# Altium PCB FINAL_PCB_VER0.PcbDoc (part 3 of 4)
Units mil, origin at the board's own origin, x right, y up, seen from the top; angles counter-clockwise.
Board outline 5316 x 3950 mil, 2 copper layers (Top Layer, Bottom Layer); 360 components, 279 nets, 1195 pads, 726 vias.
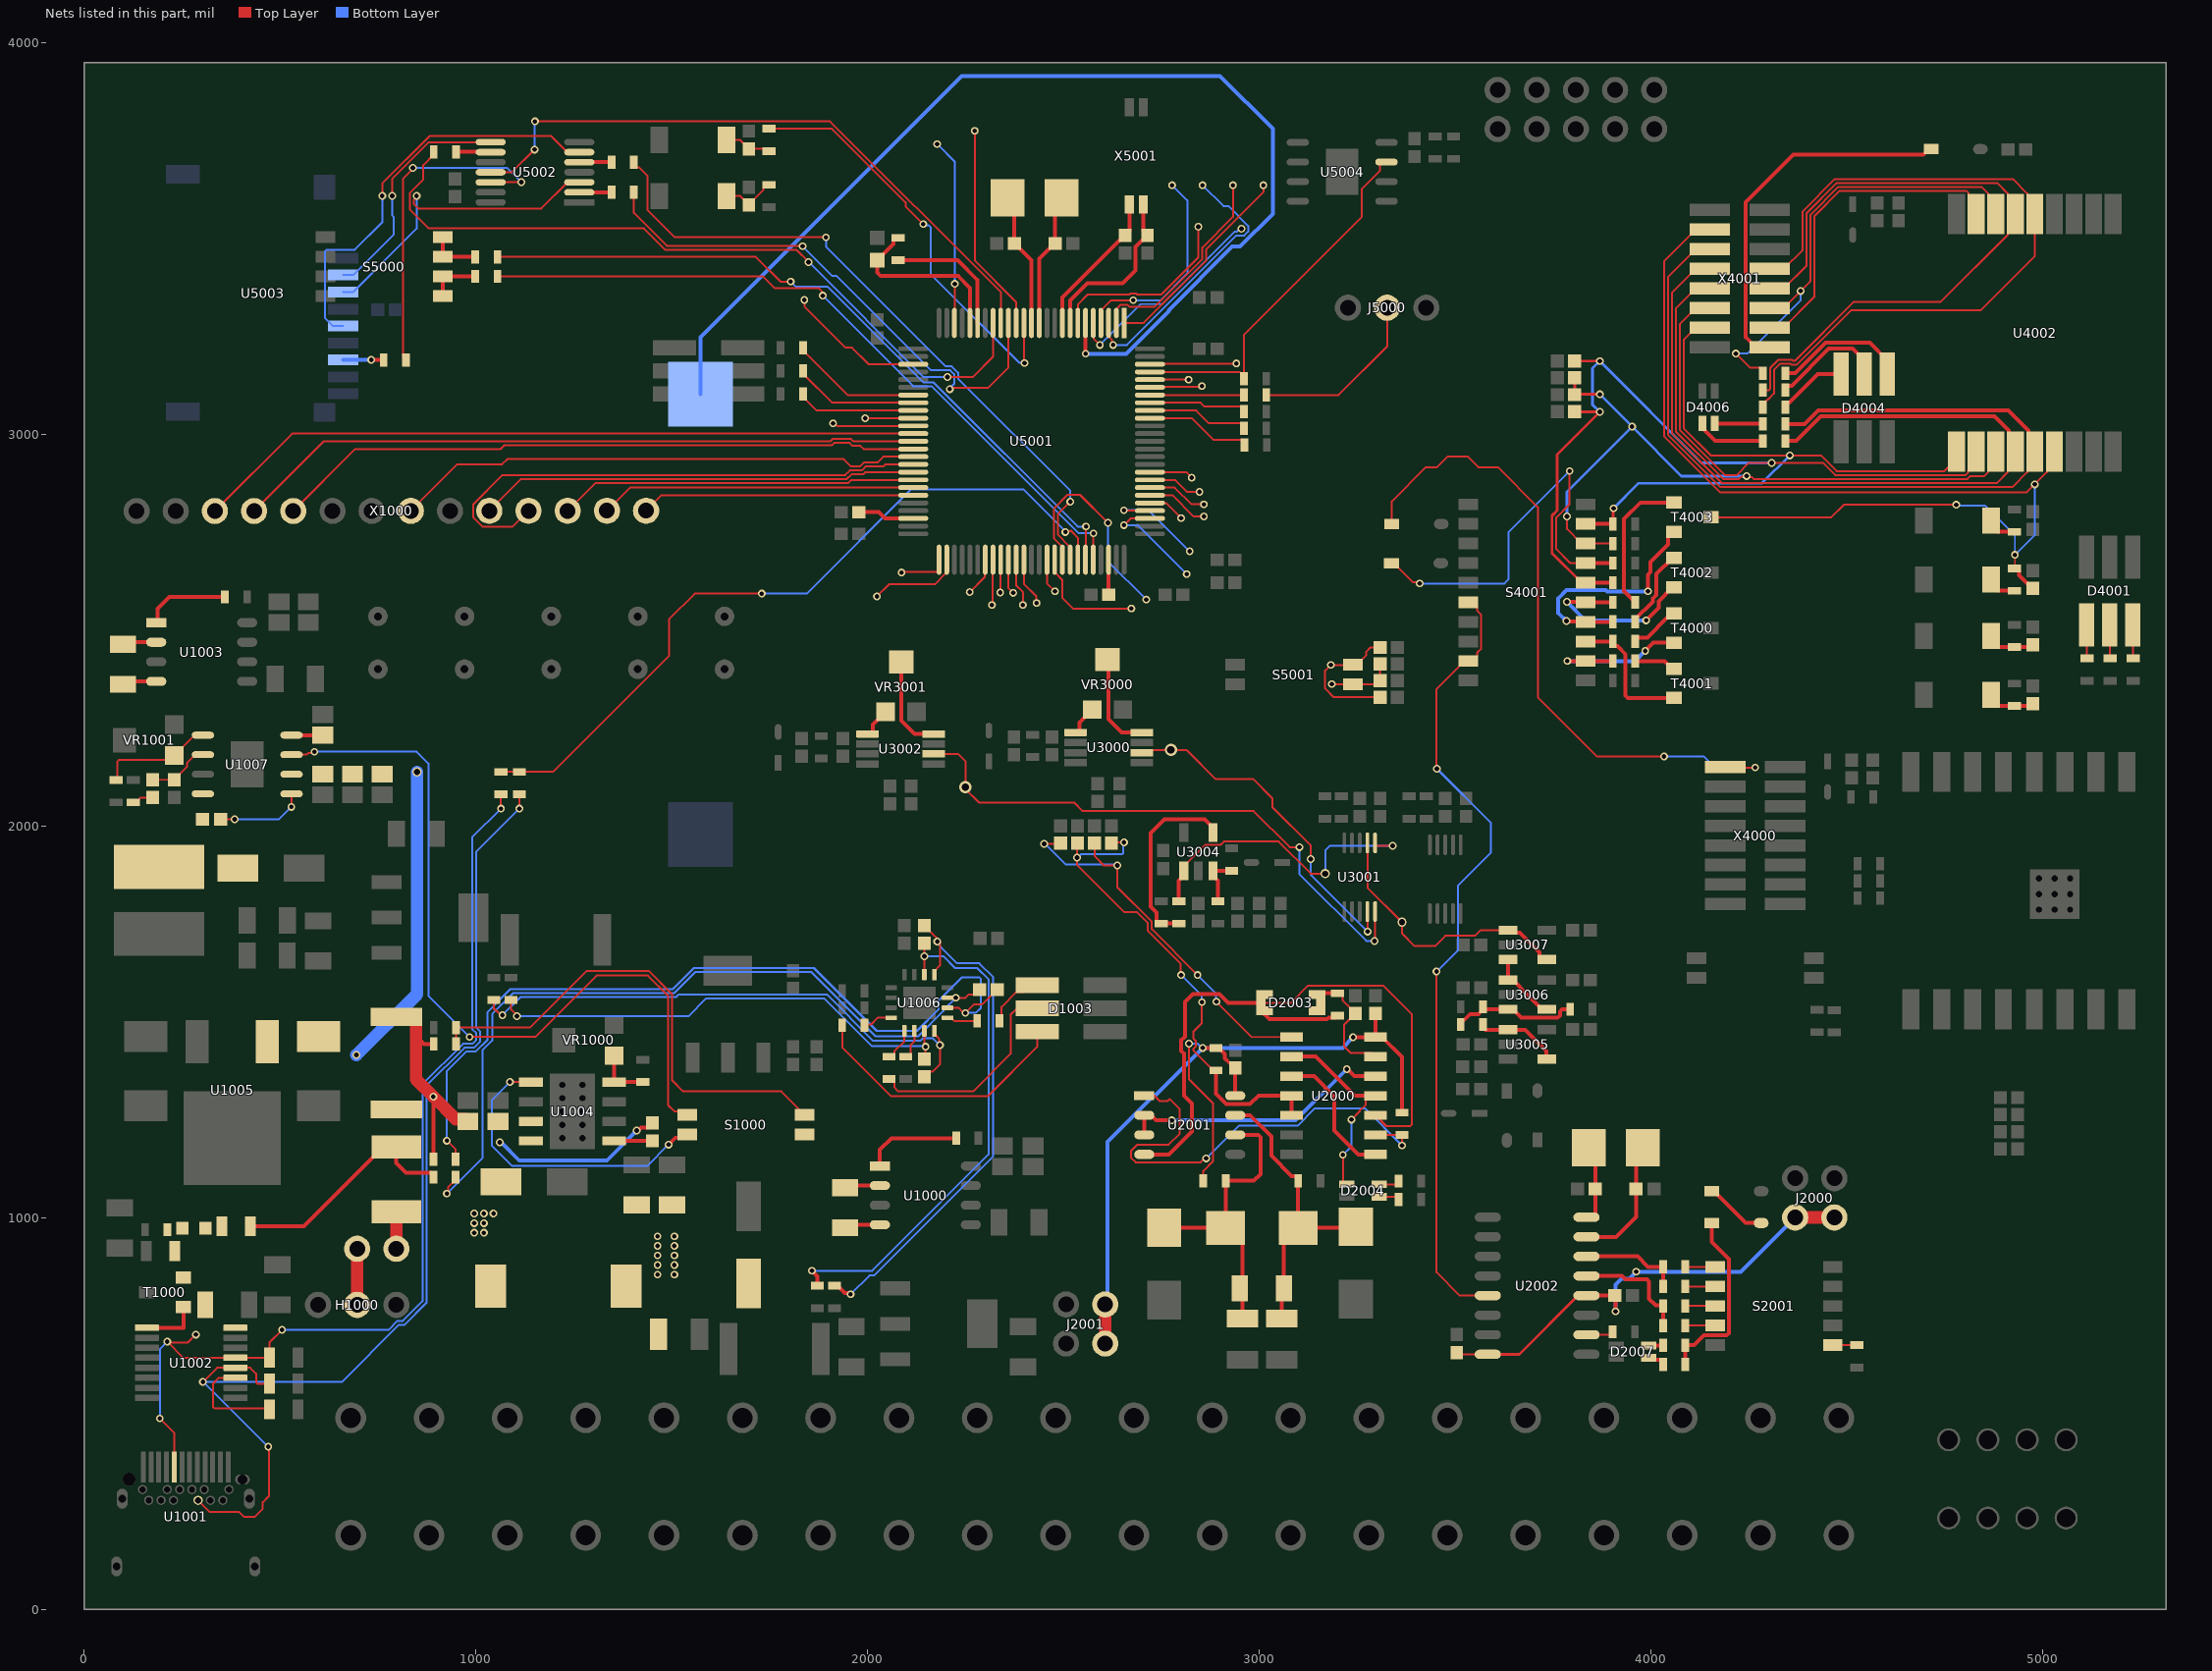
[diagram p3: the nets of this part, all layers, seen from the top]

## Via types
v1: diameter 19.68, hole 11.81, Top Layer to Bottom Layer, tented both sides, 687 vias
v2: diameter 19.68, hole 11.81, Top Layer to Bottom Layer, 18 vias
v3: diameter 23.62, hole 15.75, Top Layer to Bottom Layer, 9 vias
v4: diameter 23.62, hole 15.75, Top Layer to Bottom Layer, tented both sides, 7 vias
v5: diameter 236.22, hole 122.05, Top Layer to Bottom Layer, 3 vias
v6: diameter 31.5, hole 19.68, Top Layer to Bottom Layer, 2 vias

## Nets (pads, with @x,y where several pads share a name; then routed paths per layer and width w, separated by ;. In a path a pad name is that pad's centre, name@x,y a point inside that pad or via, vN(x,y) a via of type N, cw(c..) or ccw(c..) an arc to the next point about the centre after c; other vN are vias at no path point) (continued)
LORA_IO2: C4009.1 R4018.1 T4003.3 U4002.15 X4001.14 | length 2900.1
  Top Layer w5: X4001.14@4151.24,3523.58 4115.42,3523.58 4034,3442.17 4034,2995.71 4176.71,2853 4960.59,2853 5011.85,2904.26 5011.85,2937.7 U4002.15@5031,2956.85 ; T4003.3@4154,2789 4461.18,2789 4493.41,2821.23 4779.77,2821.23 v1(4780,2821) ; R4018.1@4929,2658.54 4930,2659.54 v1(4930,2693)
  Top Layer w10: R4018.1@4929,2658.54 4935.89,2658.54 4940.73,2653.7 4940.73,2640.96 4962.52,2619.18 4965.01,2619.18 4976,2608.19 C4009.1@4976,2607.28
  Bottom Layer w5: v1(4780,2821) 4782,2819 4854,2819 4930,2743 v1(4930,2693) 4981,2744 v1(4981,2873)
LORA_IO14: R4025.1 U4002.14 X4001.12 | length 2304.6
  Top Layer w5: X4001.12@4151.24,3473.58 4115.42,3473.58 4044,3402.17 4044,2999.85 4176.85,2867 4924.59,2867 4961.85,2904.26 4961.85,2937.7 U4002.14@4981,2956.85
  Top Layer w10: R4025.1@4343.54,3027.25 4393.25,3027.25 4427.51,3061.5 4913.32,3061.5 4964.35,3010.48 4964.35,2973.5 U4002.14@4981,2956.85
LORA_IO15: R4026.1 U4002.13 X4001.10 | length 2135.3
  Top Layer w5: X4001.10@4151.24,3423.58 4115.42,3423.58 4054,3362.17 4054,3003.99 4180.99,2877 4884.59,2877 4911.85,2904.26 4911.85,2937.7 U4002.13@4931,2956.85
  Top Layer w10: R4026.1@4343.54,2984 4371.22,2984 4433.72,3046.5 4878.32,3046.5 4914.35,3010.48 4914.35,2973.5 U4002.13@4931,2956.85
LORA_LPUART-RX: R4021.1 S4001.19 U4002.10 X4001.4 | length 1696.7
  Top Layer w5: X4001.4@4151.24,3273.58 4115.42,3273.58 4084,3242.17 4084,3016.42 4153.42,2947 v1(4355,2947) 4434.92,2947 4474.92,2907 4750.08,2907 4781,2937.92 U4002.10@4781,2956.85
  Top Layer w7: R4021.1@3903.46,2772 3904.23,2772.77 3904.23,2811.23 v1(3905,2812)
  Top Layer w10: S4001.19@3833.41,2772 R4021.1@3903.46,2772
  Bottom Layer w7: v1(3905,2812) 3969,2876 4284,2876 v1(4355,2947)
LORA_RXD: R4019.1 S4001.18 SB5013.1 SB5014.1 U4002.12 X4001.8 | length 2371.4
  Top Layer w5: v1(3786,2791) 3786.66,2790.34 3786.66,2758.71 3823.37,2722 S4001.18@3833.41,2722 R4019.1@3903.46,2722 ; X4001.8@4151.24,3373.58 4115.42,3373.58 4064,3322.17 4064,3008.13 4185.13,2887 4225.16,2887 4231.49,2893.33 v1@4243.99,2893.33 ; v1@4247.34,2892 4257.73,2892 4262.73,2887 4808.73,2887 4816.08,2894.34 4851.93,2894.34 4861.85,2904.25 4861.85,2937.7 U4002.12@4881,2956.85
  Top Layer w7: SB5014.1@3806,3145 SB5013.1@3806,3102 3807,3103 v1(3870,3103)
  Bottom Layer w7: v1(3786,2791) 3786,2853.82 v1(3952.59,3020.41) ; v1(3870,3103) v1(3952.59,3020.41) ; v1(4245,2894.34) 4078.66,2894.34 v1(3952.59,3020.41)
LORA_SSP1-CLK: R4022.2 U4002.5 X4001.9 | length 1888.4
  Top Layer w5: R4022.2@4286.46,3070.5 4286.46,3077.39 4298.58,3089.52 4299.41,3089.52 4315,3105.11 4315,3165.64 4330.59,3181.23 4356.49,3181.23 4358.72,3179 4373.14,3179 4511.48,3317.34 4841.87,3317.34 4981,3456.47 U4002.5@4981,3563.15 4961.85,3582.3 4961.85,3615.74 4925.09,3652.5 4470.47,3652.5 4387.98,3570.02 4387.98,3471.74 4339.83,3423.58 X4001.9@4304,3423.58
LORA_SSP1_NSS: R4023.2 U4002.6 X4001.7 | length 1752.7
  Top Layer w5: R4023.2@4286.46,3113.75 4302.07,3113.75 4305,3116.68 4305,3169.78 4326.45,3191.23 4360.63,3191.23 4362.87,3189 4369,3189 4519.32,3339.32 4740.61,3339.32 4911.85,3510.56 4911.85,3544 U4002.6@4931,3563.15 4911.85,3582.3 4911.85,3615.74 4885.09,3642.5 4474.61,3642.5 4397.98,3565.87 4397.98,3431.74 4339.83,3373.58 X4001.7@4304,3373.58
LORA_SWCLK: R4024.2 U4002.7 X4001.5 | length 1192.1
  Top Layer w5: v1(4217.64,3207) 4253.41,3171.23 4279.11,3171.23 4286.46,3163.89 R4024.2@4286.46,3157 ; X4001.5@4304,3323.58 4339.83,3323.58 4407.98,3391.74 4407.98,3561.73 4478.75,3632.5 4845.09,3632.5 4861.85,3615.74 4861.85,3582.3 U4002.7@4881,3563.15
  Bottom Layer w5: v1(4217.64,3207) 4247,3207 4383,3343 v1(4383,3367)
LORA_SWDIO: U4002.8 X4001.3 | length 836.9
  Top Layer w5: X4001.3@4304,3273.58 4339.83,3273.58 4417.98,3351.74 4417.98,3557.59 4482.89,3622.5 4806.11,3622.5 4811.85,3616.76 4811.85,3582.3 U4002.8@4831,3563.15
LORA_TXD: R4020.1 S4001.16 SB5012.1 SB5015.1 U4002.11 X4001.6 | length 2657.2
  Top Layer w5: X4001.6@4151.24,3323.58 4115.42,3323.58 4074,3282.17 4074,3012.28 4189.28,2897 4220.13,2897 4251.13,2928 v1(4309,2928) 4439.78,2928 4470.78,2897 4804.59,2897 4810.15,2902.56 4810.15,2906.48 4831,2927.32 U4002.11@4831,2956.85
  Top Layer w7: SB5012.1@3806,3059 3807,3058 v1(3870,3058) 3760.93,2948.93 3760.93,2806.01 3748,2793.08 3748,2697.37 3823.37,2622 S4001.16@3833.41,2622 ; SB5015.1@3806,3188 v1(3870,3188)
  Top Layer w10: S4001.16@3833.41,2622 R4020.1@3903.46,2622
  Bottom Layer w7: v1(3870,3058) 3851.66,3076.34 3851.66,3169.66 v1(3870,3188) 4130,2928 v1(4309,2928)
MAIN_POW_IN: C1012.1 C1013.1 C1017.2 C1025.1 C1026.1 C1027.1 R1015.1 R1016.2 R1017.2 U1004.7 U1005.1 U1007.2 | length 1424.9
  Top Layer w10: R1015.1@797,1513.19 840.31,1513.19 847.11,1506.39 858.11,1495.39 858.11,1453.51 867.61,1444 R1017.2@892.46,1444 ; R1016.2@891.45,1150.01 v2(891.44,1309.44)
  Top Layer w32: R1015.1@847.11,1506.39 847.11,1353.77 v2(891.44,1309.44) 948.71,1252.18 974,1252.18 C1012.1@979.65,1246.52
  Bottom Layer w32: v2(695,1416) 850,1571 v3(850,2139)
MAIN_POW_RAW: F1000.2 R1007.1 R1014.2 R1015.2 | length 611.3
  Top Layer w10: R1007.1@424.42,978.56 560.74,978.56 763.54,1181.35 F1000.2@797,1181.35 797,1140 821.27,1115.73 886.61,1115.73 891.46,1110.89 R1014.2@891.46,1104
NetB4000_2: B4000.2 C4000.2 R4006.1 | length 127.3
  Top Layer w10: B4000.2@4869.25,2335.7 4869.25,2324.88 4886.89,2307.24 4928.92,2307.24 R4006.1@4929,2307.16 4970.17,2307.16 C4000.2@4976,2312.99
NetB4001_1: B4001.1 C4001.1 R4007.2 | length 127.3
  Top Layer w10: B4001.1@4869.25,2485.97 4869.25,2475.14 4886.89,2457.51 4897.71,2457.51 4897.79,2457.43 R4007.2@4929,2457.43 4970.17,2457.43 C4001.1@4976,2463.25
NetB4002_1: B4002.1 R4017.2 | length 77.9
  Top Layer w10: B4002.1@4869.25,2780.27 4869.25,2769.44 4886.89,2751.8 4928.92,2751.8 R4017.2@4929,2751.73
NetB4003_1: B4003.1 R4018.2 | length 77.9
  Top Layer w10: B4003.1@4869.25,2630 4869.25,2619.17 4886.89,2601.54 4928.92,2601.54 R4018.2@4929,2601.46
NetB5000_2: B5000.2 R5000.1 U5001.21 | length 456.8
  Top Layer w10: R5000.1@2078,3502.54 2071.11,3502.54 2066.27,3497.7 2066.27,3486.72 B5000.2@2025,3445.46 2025,3414 2034.16,3404.84 2231.22,3404.84 2261.52,3374.54 U5001.21@2261.52,3285.18
NetB5001_1: B5001.1 C5013.1 R5016.1 | length 121.5
  Top Layer w5: B5001.1@1639.9,3752.5 1675.19,3752.5 1697,3730.7 C5013.1@1697,3729.79 1743.17,3729.79 R5016.1@1749,3723.96
NetB5002_1: B5002.1 C5014.1 R5008.2 | length 143
  Top Layer w5: B5002.1@1639.9,3609.5 1675.19,3609.5 C5014.1@1697,3587.69 ; C5014.1@1697,3586.79 C5014.1@1697,3587.69 ; R5008.2@1749,3638.05 1742.11,3638.05 1734.77,3630.7 1734.77,3625.46 C5014.1@1697,3587.69
NetC1002_1: C1002.1 U1000.2 | length 90.9
  Top Layer w10: C1002.1@1943,1077.25 1948.16,1082.41 U1000.2@2031.72,1082.41
NetC1002_2: C1002.2 U1000.4 | length 91.9
  Top Layer w10: C1002.2@1943,974.83 1950.59,982.41 U1000.4@2031.72,982.41
NetC1008_1: C1008.1 U1003.2 | length 90
  Top Layer w10: C1008.1@99,2464.84 99,2470 U1003.2@183.86,2470
NetC1008_2: C1008.2 U1003.4 | length 92.4
  Top Layer w10: C1008.2@99,2362.41 99,2370 U1003.4@183.86,2370
NetC1010_1: C1010.1 D1001.2 L1000.1 U1004.8 | length 449.5
  Top Layer w10: v1(1411,1223) 1414.69,1223 1421.98,1230.3 1439.67,1230.3 1450.65,1241.28 C1010.1@1450.65,1242.19
  Bottom Layer w10: v1(1061,1193) 1064.69,1193 1111.69,1146 1334,1146 v1(1411,1223)
  other v1: 996,962 1020.5,962 996,986.5 1020.5,986.5 996,1011 1020.5,1011 1045,1011
NetC1010_2: C1010.2 U1004.1 | length 97.7
  Top Layer w10: U1004.1@1352.95,1196.76 C1010.2@1450.65,1196.76
NetC1014_1: C1014.1 C1015.1 C1016.2 F1001.1 L1000.2
  other v1: 1464,855 1507,855 1464,879.5 1507,879.5 1464,904 1507,904 1464,928.5 1507,928.5 1464,953 1507,953
NetC1018_1: C1018.1 R1010.1 U1006.12 | length 1393.4
  Top Layer w5: R1010.1@1046,1556.46 1046,1534 1050.95,1529.05 1052.18,1529.05 1063.36,1517.86 v1(1067.86,1517.86) ; C1018.1@2145.37,1360.59 2145.37,1360.86 2157.86,1373.35 2166.35,1373.35 2185,1392 v1(2185,1441) 2183.47,1442.53 2183.47,1457.03 2174.19,1466.31 2173.37,1466.31 2170.96,1468.71 U1006.12@2170.96,1477.57
  Bottom Layer w5: v1(1067.86,1517.86) 1114,1564 1511.14,1564 1517.64,1570.5 1896.23,1570.5 2014.42,1452.31 2134.88,1452.31 2136.14,1453.57 2136.51,1453.57 2141.46,1458.52 2167.48,1458.52 v1(2185,1441)
NetC1018_2: C1018.2 R1012.1 U1006.11 | length 1232.7
  Top Layer w5: R1012.1@1090,1556.46 1090,1531.55 1105,1516.55 v1(1105,1515) ; C1018.2@2145.37,1406.02 2148.39,1409.04 v1(2148.39,1437.1) ; v1@2145.37,1438.21 2145.37,1441.8 U1006.11@2145.37,1477.57
  Bottom Layer w5: v1(1105,1515) 1543.09,1515 1588.59,1560.5 1889.26,1560.5 2011.55,1438.21 2147.28,1438.21 v1(2148.39,1437.1)
NetC1019_1: C1019.1 R1014.1 U1006.15 | length 1986
  Top Layer w5: v1(926,1062) 929.18,1065.18 929.18,1077.75 948.54,1097.11 R1014.1@948.54,1104 ; U1006.15@2204.43,1562.22 2204.54,1562.11 2225.58,1562.11 v1(2225.69,1562) ; v1@2225.69,1562.11 2245.89,1562.11 2246,1562 2250.5,1562 2259.08,1570.59 2273.28,1570.59 C1019.1@2285.77,1583.07
  Bottom Layer w5: v1(926,1062) 1016.69,1152.69 1016.69,1427.74 1041.83,1452.88 1041.83,1520.55 1095.28,1574 1507,1574 1561,1628 1856.26,1628 2019.95,1464.31 2130.28,1464.31 2193.89,1527.92 2193.89,1530.2 v1(2225.69,1562)
NetC1019_2: C1019.2 R1016.1 U1006.14 | length 2163.9
  Top Layer w5: v1(926,1197) 948.54,1174.46 R1016.1@948.54,1150 ; U1006.14@2204.43,1536.63 2232.19,1536.63 2245.5,1523.31 v1(2250,1523.31) ; v1@2250,1523 v1(2250,1523.31) ; C1019.2@2320.97,1582.4 C1019.2@2321.88,1582.4 ; C1019.2@2331.2,1583.07 2330.29,1583.07 2311.16,1563.94 2311.16,1563.57 2292.62,1545.03 2271.72,1545.03 v1(2250,1523.31)
  Bottom Layer w5: v1(926,1197) 926,1375.28 975.38,1424.66 999.47,1424.66 1029.83,1455.02 1029.83,1525.52 1088.31,1584 1502.86,1584 1556.86,1638 1863.23,1638 2023.66,1477.57 2126.57,1477.57 2181.89,1532.89 2181.89,1555.3 2240.59,1614 2285.9,1614 2290,1609.9 2290,1536.47 2276.84,1523.31 v1(2250,1523.31)
NetC1021_1: C1021.1 R1021.1 U1006.2 | length 1333.9
  Top Layer w5: U1006.2@2145.37,1621.27 C1021.1@2145.37,1701.28
  Top Layer w10: v1(1858,865) 1872,851 R1021.1@1872,826.54
  Bottom Layer w5: v1(1858,865) 2012.02,865 2309.11,1162.1 2309.11,1609.42 2280.49,1638.04 2223.46,1638.04 2193.19,1668.31 v1(2145.37,1668.31)
NetC1021_2: C1021.2 R1025.1 U1006.1 | length 1354.6
  Top Layer w5: C1021.2@2145.37,1746.72 2145.37,1745.81 2164.51,1726.68 2164.88,1726.68 v1@2181.99,1709.57 ; U1006.1@2170.96,1621.27 2170.96,1630.13 2185.31,1644.48 2185.31,1706.25 v1@2181.99,1709.57 ; v1(2178.26,1705.84) v1@2181.99,1709.57
  Top Layer w10: R1025.1@1916,826.54 1922.89,826.54 1941.83,807.61 1954.39,807.61 v1(1957,805)
  Bottom Layer w5: v1(1957,805) 2005,853 2016.99,853 2321.11,1157.13 2321.11,1614.39 2285.46,1650.04 2228.43,1650.04 2188.04,1690.43 2188.04,1691.56 2178.26,1701.34 v1(2178.26,1705.84)
NetC1022_1: C1022.1 D1002.2 L1001.1 U1007.8
NetC1022_2: C1022.2 U1007.1 | length 227.7
  Top Layer w5: C1022.2@347.84,2017.74 348.1,2018 v1(384,2018) ; v1(529.03,2049.47) 529.03,2082.46 U1007.1@529.32,2082.74
  Bottom Layer w5: v1(384,2018) 497.56,2018 v1(529.03,2049.47)
NetC1028_1: C1028.1 C1029.1 U1007.6 | length 161
  Top Layer w5: C1029.1@174.82,2118.69 C1028.1@230.13,2118.69 230.13,2119.59 262.25,2151.72 262.25,2161.74 283.25,2182.74 U1007.6@302.94,2182.74
NetC1029_2: C1029.2 R1026.2 | length 54.8
  Top Layer w5: R1026.2@125.13,2060.93 132.02,2060.93 144.34,2073.26 C1029.2@174.82,2073.26
NetC1030_1: C1030.1 U1007.4 | length 80.1
  Top Layer w10: U1007.4@529.32,2232.74 609.21,2232.74 C1030.1@609.21,2232.51
NetC2000_1: C2000.1 C2001.1 J2001.1 J2001.3 R2000.2 R2001.2 R2002.2 U2000.14 U2001.8 | length 2210.8
  Top Layer w5: v1(2821,1445) 2821,1354.47 2882.34,1293.13 2882.34,1144.82 2857.58,1120.05 R2001.2@2857.58,1095
  Top Layer w10: v1(2856,1434) 2856.23,1433.77 2889.77,1433.77 R2000.2@2890,1433.54 2896.89,1433.54 2911.94,1418.49 2911.94,1407.89 2925.66,1394.18 2928.16,1394.18 2939.14,1383.19 C2000.1@2939.14,1382.28 U2001.8@2939.14,1312 ; v1(3240,1461) 3240.43,1461.42 3313.69,1461.42 3314.11,1461.85 3365,1410.96 R2002.2@3365,1268.94 ; U2000.14@3297.38,1461.85 C2001.1@3297.38,1522.28
  Top Layer w32: J2001.1@2607,679 J2001.3@2607,779
  Bottom Layer w5: v1(2821,1445) 2842.47,1445 2853.47,1434 v1(2856,1434)
  Bottom Layer w10: J2001.3@2607,779 2613.16,785.16 2613.16,1194.16 2732.15,1313.15 2735.15,1313.15 v1(2856,1434) 3213,1434 v1(3240,1461)
NetC2002_1: C2002.1 D2003.1 R2004.2 U2000.13 | length 324.4
  Top Layer w5: R2004.2@3200,1573.54 3206.89,1573.54 3213.23,1567.2 3213.23,1555.58 3226.49,1542.32 3226.87,1542.32 3246,1523.19 C2002.1@3246,1522.28 3217,1493.28 3217,1438 3233.84,1421.16 3288.07,1421.16 U2000.13@3297.38,1411.85
  Top Layer w10: D2003.1@3157.77,1549.5 3157.77,1566.73 3164.58,1573.54 R2004.2@3200,1573.54
NetC2003_2: C2003.2 C2004.1 J2000.1 J2000.3 U2002.4 U2002.16 | length 1197.9
  Top Layer w5: C2003.2@3512.47,651.61 U2002.16@3581,651.61
  Top Layer w7: U2002.16@3584.02,651.61 3664.33,651.61 3814.33,801.61 U2002.4@3835.98,801.61
  Top Layer w10: U2002.16@3581,651.61 U2002.16@3584.02,651.61 ; U2002.4@3835.98,801.61 C2004.1@3908.44,801.61 3910,800.05 v1(3910,761)
  Top Layer w32: J2000.1@4369,1001.11 J2000.3@4469,1001.11
  Bottom Layer w10: v1(3910,761) 3910,829.09 3925.8,844.89 3945.35,844.89 v1(3963,862.54) ; v1@3963,862 3963.54,862.54 4230.43,862.54 J2000.1@4369,1001.11
NetC2005_1: C2005.1 U2002.7 X2000.1 | length 331.1
  Top Layer w10: U2002.7@3835.98,951.61 3911.61,951.61 3962.85,1002.85 C2005.1@3962.85,1074 3962.85,1162.39 X2000.1@3979.46,1179
NetC2006_1: C2006.1 U2002.8 X2000.2 | length 203.5
  Top Layer w10: U2002.8@3835.98,1001.61 3852.42,1001.61 3858.72,1007.91 C2006.1@3858.72,1074 3858.72,1161.95 X2000.2@3841.67,1179
NetC5009_1: C5009.1 U5001.73 | length 89.8
  Top Layer w10: C5009.1@2615.85,2591 U5001.73@2615.85,2680.82
NetC5010_1: C5010.1 U5001.48 | length 145.7
  Top Layer w10: C5010.1@1977.72,2802 2028.81,2802 2044.66,2786.15 U5001.48@2116.82,2786.15
NetD1000_1: D1000.1 R1007.2
NetD1000_2: D1000.2 R1008.1
NetD1003_2: D1003.2 R1020.2 | length 135.7
  Top Layer w5: R1020.2@2337.03,1503 2342.5,1508.47 2342.5,1538.6 2380.77,1576.87 2400.2,1576.87 D1003.2@2417.39,1594.06
NetD1003_4: D1003.4 R1019.2 | length 530.4
  Top Layer w5: R1019.2@2055,1354.76 2061.89,1354.76 2068.23,1348.42 2068.23,1333.77 2078.8,1323.2 2119.06,1323.2 2270.2,1323.2 2365.77,1418.77 2365.77,1518.82 2381.95,1535 D1003.4@2417.39,1535
NetD1003_6: D1003.6 R1018.2 | length 697.2
  Top Layer w5: R1018.2@1935.46,1492 1935.46,1435.71 2059.97,1311.2 2308.2,1311.2 2433.39,1436.39 D1003.6@2433.39,1475.94
NetD2000_2: D2000.2 D2001.1 F2000.2 R2001.1 R2003.2 U2001.6 | length 788.2
  Top Layer w10: D2000.2@2757.19,974.69 D2001.1@2914.67,974.69 ; U2001.6@2939.14,1212 2998.14,1212 3004,1206.14 3004,1112 2987,1095 R2001.1@2914.67,1095 D2001.1@2914.67,974.69 ; F2000.2@2957.5,742.5 2957.5,936.38 2919.19,974.69 D2001.1@2914.67,974.69
NetD2001_2: D2001.2 D2002.1 F2001.2 R2003.1 R2005.2 U2001.7 | length 781
  Top Layer w10: U2001.7@2939.14,1262 2977,1262 3031,1208 3031,1159.17 3083.44,1106.73 3094.86,1106.73 3099.7,1101.89 R2005.2@3099.7,1095 D2001.2@3099.7,974.69 ; F2001.2@3057.5,742.5 3057.5,814.21 R2003.1@3063.29,820 3063.29,938.27 D2001.2@3099.7,974.69 ; D2002.1@3247.19,977.52 3244.35,974.69 D2001.2@3099.7,974.69
NetD2003_2: D2003.2 R2004.1 U2000.10 U2001.4 | length 1753.7
  Top Layer w5: D2003.2@3004.23,1549.5 3081.77,1549.5 3125.38,1593.11 3316.89,1593.11 3390.31,1519.69 3390.31,1238.41 3386.21,1234.31 3324.93,1234.31 U2000.10@3297.38,1261.85
  Top Layer w10: U2001.4@2706.86,1162 2769,1162 2828,1221 2828,1292.19 2808.5,1311.69 2808.5,1419.25 2801.16,1426.59 2801.16,1453.22 2810.81,1462.87 2810.81,1551.81 2830.84,1571.84 2899.22,1571.84 2921.56,1549.5 D2003.2@3004.23,1549.5 3004.23,1528.83 3026.04,1507.02 3173.72,1507.02 3178.32,1511.61 3195.16,1511.61 R2004.1@3200,1516.46
NetD2004_1: D2004.1 R2007.2 | length 53.3
  Top Layer w5: D2004.1@3306.34,1054.25 3350.11,1054.25 3356.46,1047.91 R2007.2@3356.46,1047.36
NetD2004_3: D2004.3 R2006.2 | length 54.6
  Top Layer w5: D2004.3@3306.34,1085.75 3350.11,1085.75 3356.46,1092.09 R2006.2@3356.46,1093.92
NetD2004_4: D2004.4 U2000.2 U2000.11 | length 515.6
  Top Layer w5: v1(3214,1161) 3214,1092.09 3220.34,1085.75 D2004.4@3223.66,1085.75 ; v1(3236,1251) 3256.88,1271.88 3256.88,1273.73 3272.34,1289.18 3272.34,1303.54 3280.65,1311.85 U2000.11@3297.38,1311.85
  Top Layer w10: U2000.2@3082.81,1411.85 3144.15,1411.85 3244.15,1311.85 U2000.11@3280.65,1311.85
  Bottom Layer w5: v1(3214,1161) 3236,1183 v1(3236,1251)
NetD2005_2: D2005.2 D2006.1 | length 159.6
  Top Layer w10: D2005.2@4155.99,1068 4161.79,1068 4242.79,987 D2006.1@4282,987
NetD2006_2: D2006.2 R2008.2 R2009.2 | length 472.6
  Top Layer w10: R2008.2@4088.54,626 R2009.2@4088.54,675 4110.9,675 4135.86,699.96 4194.06,699.96 4200,705.9 4200,894.1 4155.99,938.12 D2006.2@4155.99,987
NetD2007_2: D2007.2 R2009.1 | length 36.9
  Top Layer w10: D2007.2@3995,674 4030.46,674 R2009.1@4031.46,675
NetD2007_4: D2007.4 R2008.1 | length 47.3
  Top Layer w10: D2007.4@3995,642.5 3999.77,637.73 4026.61,637.73 4031.46,632.89 R2008.1@4031.46,626
NetD4000_2: D4000.2 X4000.1 | length 1723.8
  Top Layer w5: D4000.2@3338.99,2772 3338.99,2829.85 3426.14,2917 3454.32,2917 3481.82,2944.5 3531.92,2944.5 3559.42,2917 3609.52,2917 3712,2814.52 3712,2329 3863,2178 v1(4034,2178) ; X4000.1@4190.49,2151.17 4191.66,2150 v1(4267,2150)
  Bottom Layer w5: v1(4034,2178) 4136.5,2178 4164.5,2150 v1(4267,2150)
NetD4001_1: D4001.1 R4009.1 | length 128.9
  Top Layer w5: R4009.1@5232.06,2428.53 D4001.1@5232.06,2557.39
NetD4001_3: D4001.3 R4010.1 | length 128.9
  Top Layer w5: R4010.1@5173,2428.53 D4001.3@5173,2557.39
NetD4001_5: D4001.5 R4011.1 | length 128.9
  Top Layer w5: R4011.1@5113.94,2428.53 D4001.5@5113.94,2557.39
NetD4003_2: D4003.2 R4016.1 S4001.17 | length 1038.5
  Top Layer w5: D4003.2@3338,2672 3343.81,2672 3392.99,2622.81 3407.19,2622.81 v1(3410,2620) ; v1(3793,2907) 3793,2822.53 3759,2788.53 3759,2708 3795,2672 S4001.17@3833.41,2672
  Top Layer w10: S4001.17@3833.41,2672 R4016.1@3903.46,2672
  Bottom Layer w5: v1(3410,2620) 3626.5,2620 3636.66,2630.16 3636.66,2750.66 v1(3793,2907)
NetD4004_1: D4004.1 R4022.1 | length 181.3
  Top Layer w10: R4022.1@4343.54,3070.5 4343.54,3077.39 4348.39,3082.23 4354.37,3082.23 4426.75,3154.61 D4004.1@4485.94,3154.61
NetD4004_3: D4004.3 R4023.1 | length 296.8
  Top Layer w10: R4023.1@4343.13,3114 4343.13,3119.79 4348.39,3125.04 4360.04,3125.04 4454.73,3219.73 4515.31,3219.73 4545,3190.05 D4004.3@4545,3154.61
NetD4004_5: D4004.5 R4024.1 | length 346.7
  Top Layer w10: R4024.1@4343.54,3157 4368.82,3157 4446.55,3234.73 4559.37,3234.73 4604.06,3190.05 D4004.5@4604.06,3154.61
NetD4005_2: D4005.2 X4001.1 | length 946.1
  Top Layer w10: X4001.1@4304,3223.58 4268.17,3223.58 4242.43,3249.33 4242.43,3593.47 4248.28,3599.33 4363.95,3715 4696.29,3715 4702.15,3720.86 4702.15,3720.96 4710.19,3729 D4005.2@4715.99,3729
NetD4006_2: D4006.2 R4025.2 | length 123.3
  Top Layer w10: D4006.2@4163.75,3028.66 4285.05,3028.66 R4025.2@4286.46,3027.25